# Altium PCB FOC_Controller.PcbDoc (part 2 of 2)
Units mil, origin at the board's own origin, x right, y up, seen from the top; angles counter-clockwise.
Board outline 3900 x 2450 mil, 4 copper layers (Top Layer, Int1 (GND), Int2 (PWR), Bottom Layer), stack 53.912 mil thick; 194 components, 148 nets, 636 pads, 454 vias.
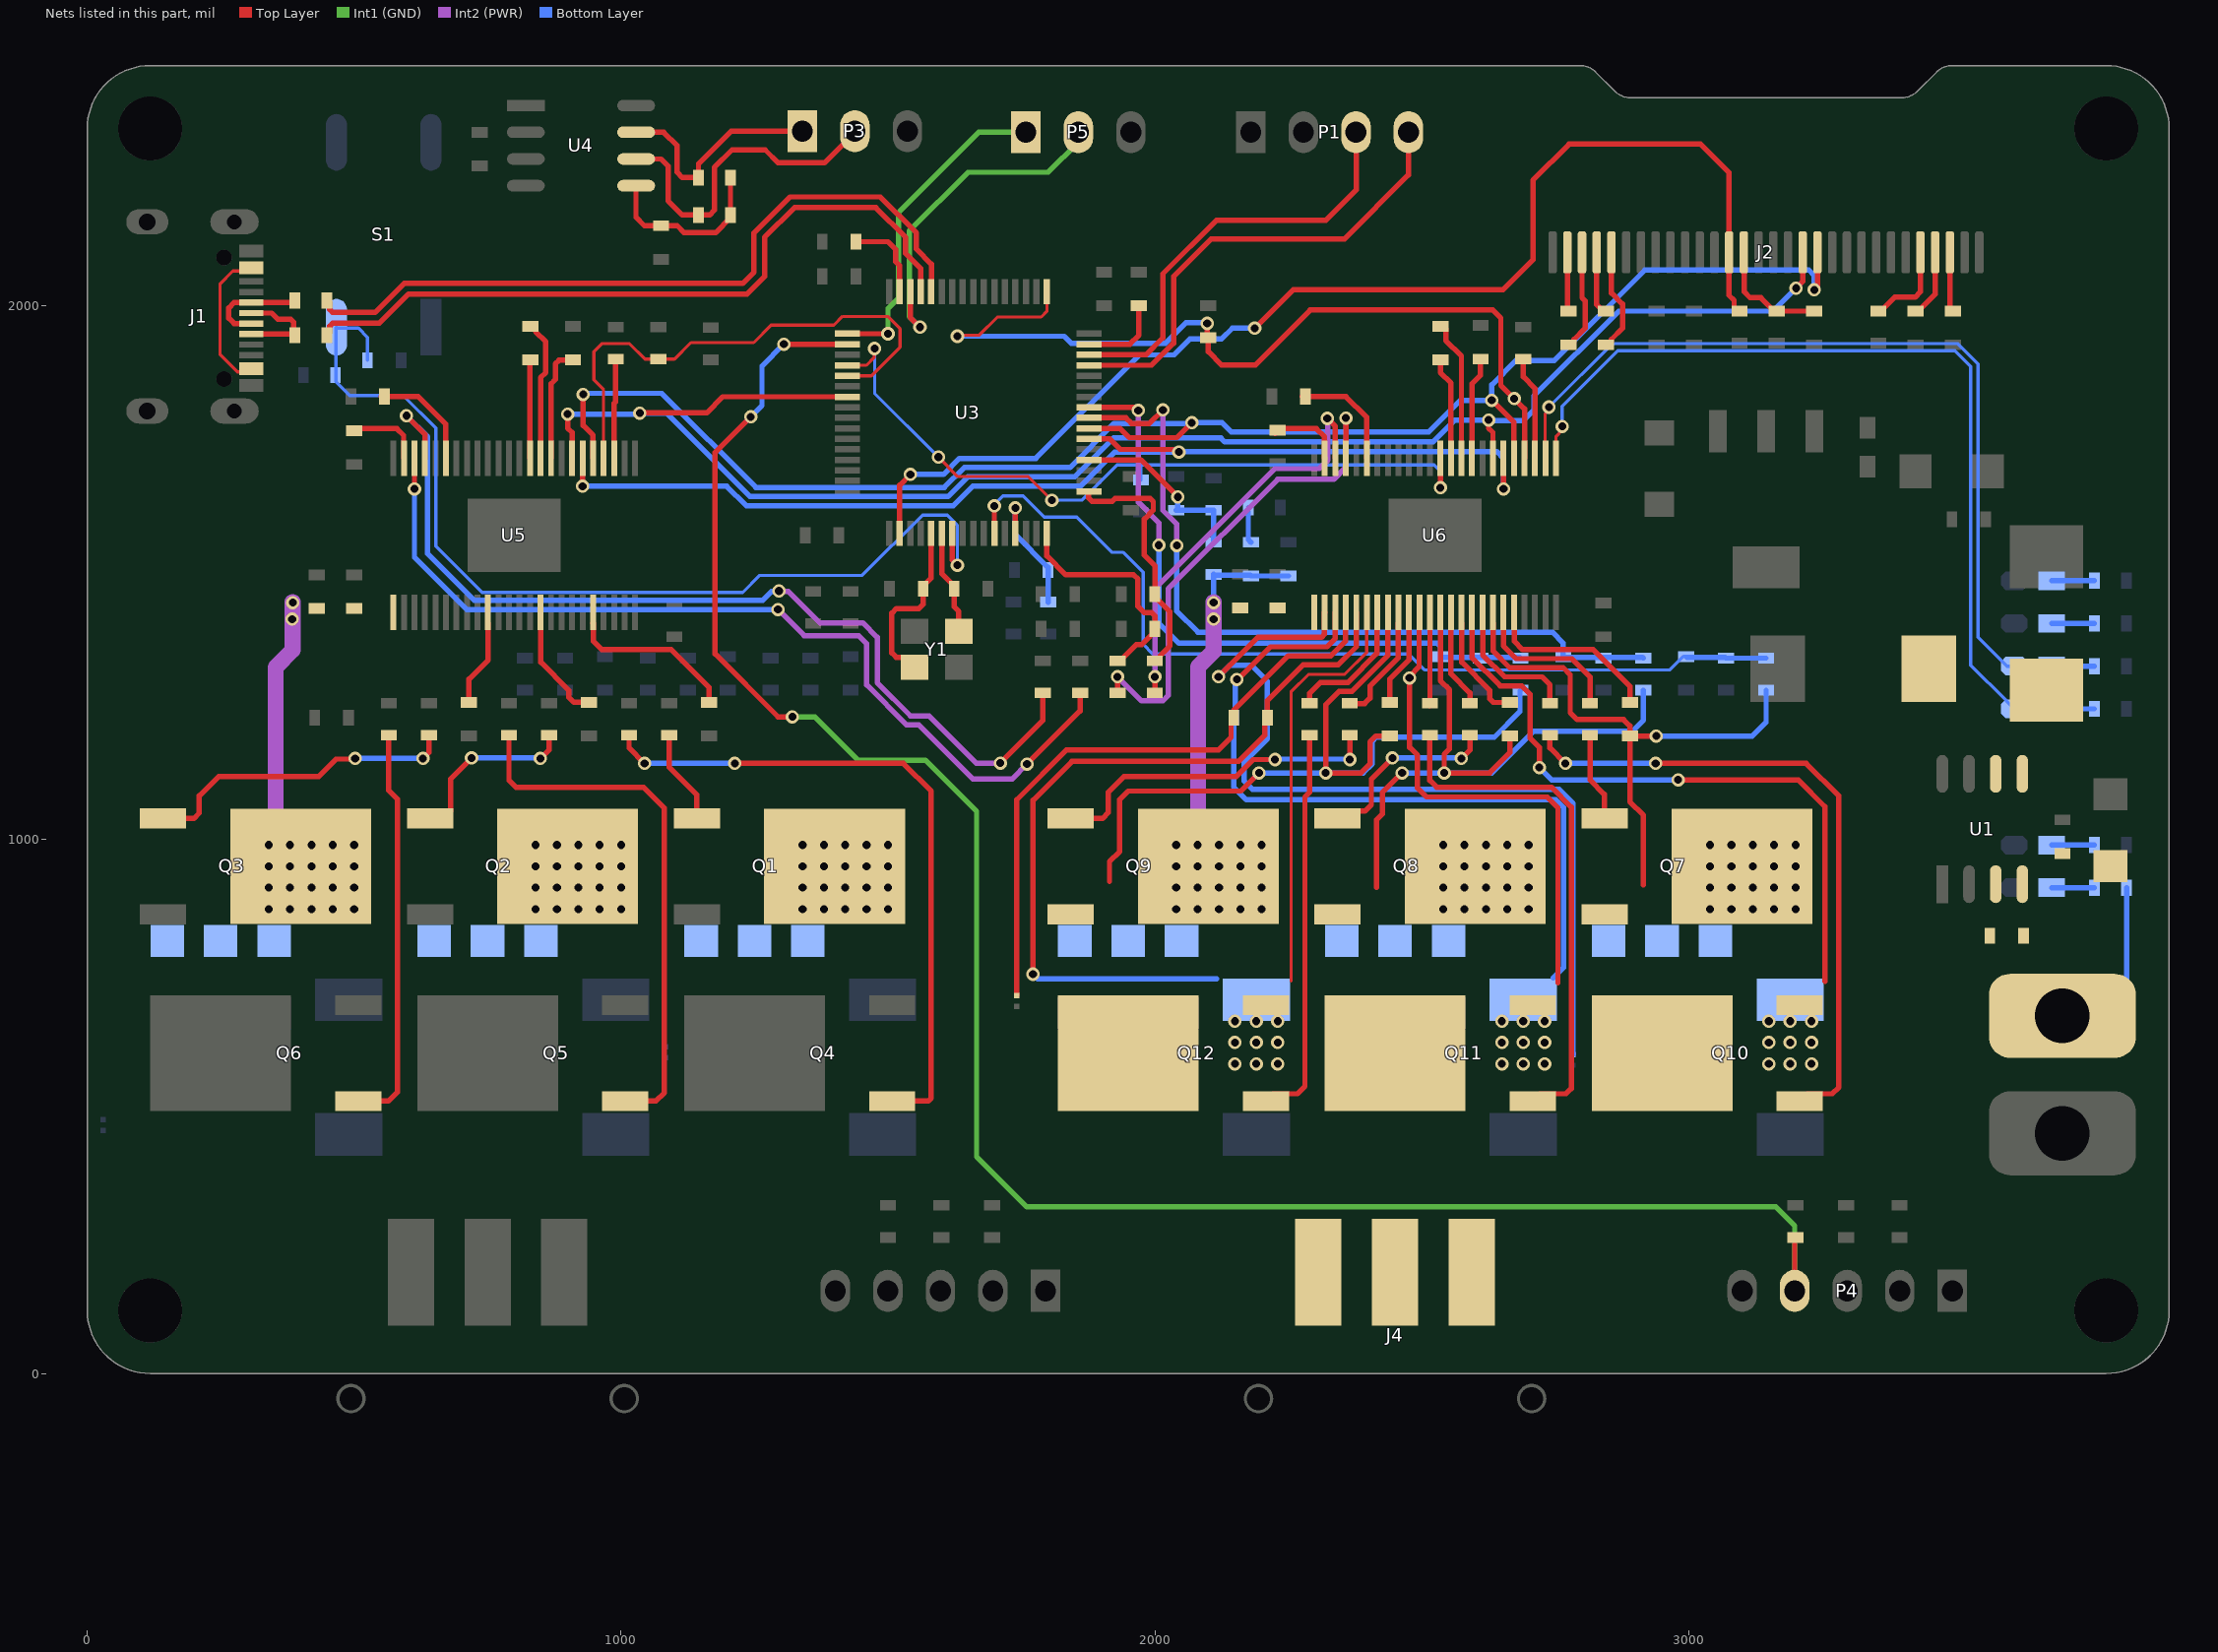
[diagram p4: the nets of this part, all layers, seen from the top]

## Via types
v1: diameter 25, hole 15, Top Layer to Bottom Layer, tented both sides, 227 vias
v2: diameter 25, hole 15, Top Layer to Bottom Layer, 227 vias

## Nets (pads, with @x,y where several pads share a name; then routed paths per layer and width w, separated by ;. In a path a pad name is that pad's centre, name@x,y a point inside that pad or via, vN(x,y) a via of type N, cw(c..) or ccw(c..) an arc to the next point about the centre after c; other vN are vias at no path point) (continued)
M1_ENC_C: P4.4 R31.1 U3.50 | length 3819.6
  Top Layer w10: v1(1243,1792) 1176,1725 1176,1347.96 1293.96,1230 v1(1321,1230) ; v1(1305,1928) U3.50@1423.62,1927.95 ; P4.4@3198.43,155 3198.43,253.43 R31.1@3200,255
  Int1 (GND) w10: v1(1321,1230) 1363,1230 1444,1149 1570,1149 1666,1053 1666,406 1760,312 3163,312 3198.43,276.57 P4.4@3198.43,155
  Bottom Layer w10: v1(1243,1792) 1264,1813 1264,1887 v1(1305,1928)
M1_GATE: R57.2 U3.52 U6.12 | length 1449
  Top Layer w6: U3.52@1423.62,1888.58 1459.58,1888.58 1474,1903 v1@1474,1921 ; v1(1594.49,1716.54) 1630.91,1680.12 1762.8,1680.12 v1(1807.09,1635.83)
  Top Layer w10: v1(2534.84,1659.16) U6.12@2534.84,1714.5
  Bottom Layer w6: v1(1475,1920) 1475,1836.02 v1(1594.49,1716.54) ; v1(1807.09,1635.83) 1863.01,1635.83 1929.18,1702 1976,1702 ; R57.2@1974,1673.5 1974,1700 1976,1702 ; v1(2534.84,1659.16) 2534.84,1690 2522.84,1702 1976,1702
M1_GH_A: R53.1 U6.43 | length 278
  Top Layer w10: U6.43@2652.95,1405.5 2652.95,1363.05 2677,1339 2781,1339 2815,1305 R53.1@2815,1255.59
M1_GH_B: R54.1 U6.38 | length 164.6
  Top Layer w10: U6.38@2554.53,1405.5 2554.53,1310.43 2590,1274.96 R54.1@2590,1255.59
M1_GH_C: R55.1 U6.33 | length 204.9
  Top Layer w10: R55.1@2365,1255.59 2365.59,1255 2393,1255 2403,1265 2403,1287.69 2456.1,1340.79 U6.33@2456.1,1405.5
M1_GL_A: R58.1 U6.41 | length 243.3
  Top Layer w10: U6.41@2613.58,1405.5 2614.08,1405 2614.08,1345.92 2655,1305 2725,1305 2740,1290 R58.1@2740,1255.59
M1_GL_B: R59.1 U6.36 | length 154.4
  Top Layer w10: R59.1@2515,1251.18 R59.1@2515,1255.59 2515.16,1255.74 U6.36@2515.16,1405.5
M1_GL_C: R60.1 U6.31 | length 232.6
  Top Layer w10: R60.1@2290,1255.59 2290,1274.25 2310.34,1294.59 2361.81,1294.59 2416,1348.77 2416,1404.77 U6.31@2416.73,1405.5
M1_IA: C63.2 R61.2 U3.16 | length 442.9
  Top Layer w10: U3.16@1797.64,1573.62 1797.64,1531.36 1833,1496 1960,1496 1968,1488 1968,1437 1980,1425 1994.14,1425 2000,1419.14 C63.2@2000,1395 2000,1390 1975,1365 1965,1365 1935,1335 R61.2@1930,1335
M1_IB: C64.2 R62.2 U3.17 | length 480.1
  Top Layer w10: U3.17@1876.38,1652.36 1875.98,1651.97 1875.98,1639.76 1881.74,1634 1920.42,1634 1925.42,1639 1991.19,1639 1997.05,1633.15 1997.05,1617.08 1980.32,1600.35 1980.32,1532.74 2000,1513.05 C64.2@2000,1460 2000,1455 2028,1427 2028,1363 2010,1345 2010,1340 2005,1335 R62.2@2000,1335
M1_nFAULT: D7.2 U6.2 | length 1570.1
  Top Layer w6: U6.2@2731.69,1714.5 2731,1715.19 2731,1797.86 2738.19,1805.05 v1(2738.19,1810.19)
  Bottom Layer w6: v1(2738.19,1810.19) 2857,1929 3504,1929 3542,1891 3542,1379 3596,1325 D7.2@3610,1325
M1_nOCTW: D6.2 U6.1 | length 1598.4
  Top Layer w6: U6.1@2751.38,1714.5 2751.38,1755.38 2763,1767 v1(2763,1774)
  Bottom Layer w6: v1(2763,1774) 2763,1812 2867,1916 3498.62,1916 3528.31,1886.31 3528.31,1326.69 3594.99,1260.01 3594.99,1259.5 3609.49,1245 D6.2@3610,1245
M1_SH_A: C56.1 J4.1 Q7.3 Q10.2 R19.1 U6.42 | length 1042.5
  Top Layer w10: U6.42@2633.27,1405.5 2633.77,1405 2633.77,1353.19 2664.96,1322 2765,1322 2778,1309 2778,1238 2791,1225 2878,1225 2890,1213 C56.1@2890,1194.1 ; 2915,915 2915,1045.87 2890,1070.87 C56.1@2890,1194.1 ; v1(2939.1,1194.1) C56.1@2890,1194.1
  Bottom Layer w10: v1(2939.1,1194.1) 3119.1,1194.1 3145,1220 R19.1@3145,1280
M1_SH_B: C58.1 J4.2 Q8.3 Q11.2 R21.1 U6.37 | length 1253.4
  Top Layer w10: 2415,911 2415,1037 2426,1048 2426,1088 v1(2463,1125) v1@2463,1122 ; U6.37@2534.84,1405.5 2535,1405.34 2535,1298 2552,1281 2552,1170 2542,1160 v1(2542,1125) 2627.07,1125 2665,1162.93 2665,1199 C58.1@2666,1199
  Bottom Layer w10: v1(2463,1125) v1(2542,1125) 2631,1125 2709,1203 2894,1203 2915,1224 R21.1@2915,1280
M1_SH_C: C60.1 J4.3 Q9.3 Q12.2 R27.1 U6.32 | length 1560.5
  Top Layer w10: 1915,922 1915,959 1934,978 1934,1075 1950,1091 2161,1091 v1(2195,1125) ; U6.32@2436,1405.08 2436.42,1405.5 2436.42,1345.15 2368.86,1277.59 2345.03,1277.59 2320,1252.55 v1(2320,1125) 2320.5,1124.5 2385.5,1124.5 2403,1142 2403,1183 2414.1,1194.1 C60.1@2440,1194.1
  Bottom Layer w10: v1(2195,1125) v1(2320,1125) 2390,1125 2407,1142 2407,1184 2415,1192 2636,1192 2684,1240 2684,1279 R27.1@2685,1280
M1_SL_A: Q10.3 R63.2 U6.40 | length 1238.4
  Top Layer w10: U6.40@2593.9,1405.5 2594,1405.4 2594,1341 2646.98,1288.02 2647.94,1288.02 2687,1288 2703,1272 2703,1190.03 2720,1173.03 v1(2720,1135) ; v1(2980,1112) 3205,1112 3255,1062 3255,735
  Bottom Layer w10: v1(2720,1135) 2743,1112 v1(2980,1112)
  other v2: 3150,580 3190,580 3230,580 3150,620 3190,620 3230,620 3150,660 3190,660 3230,660
M1_SL_B: C68.2 Q11.3 R64.2 U6.27 U6.35 | length 2355.5
  Top Layer w10: v1(2153.54,1300.2) 2155.51,1300.2 2216.54,1361.22 2322.42,1361.22 2337.99,1376.8 U6.27@2337.99,1425.5 ; v1@2477,1300 2477,1173 2492,1158 2492,1097 2509,1080 2735,1080 2755,1060 2755,732 ; v1(2477,1303) 2477,1305.89 2495,1323.89 2495,1405.03 U6.35@2495.47,1405.5
  Bottom Layer w10: v1(2153.54,1300.2) 2150.67,1297.33 2150.67,1231.38 C68.2@2147.64,1228.35 2147.64,1098.43 2171.26,1074.8 2750.98,1074.8 2765.48,1060.31 2765.48,1030.36 2765.75,1030.09 2765.75,760.75 2746.35,741.35
  other v2: 2650,580 2690,580 2730,580 2650,620 2690,620 2730,620 2650,660 2690,660 2730,660
M1_SL_C: C67.2 Q12.3 R66.2 U6.29 U6.30 | length 2265.8
  Top Layer w6: 2255,735 2255,1276.65 2287.93,1309.59 2355.6,1309.59 2396.55,1350.53 2396.55,1405 U6.30@2397.05,1405.5
  Top Layer w10: v1(1771.65,748.03) 1771.65,1073.82 1844.49,1146.65 2156.65,1146.65 2205.63,1195.63 2205.63,1218.35 2210.63,1223.35 C67.2@2210.63,1228.35 2210.63,1260.41 2277.44,1327.22 2342.97,1327.22 2377.36,1361.61 U6.29@2377.36,1425.5
  Bottom Layer w10: v1(1771.65,748.03) 1780.51,739.17 2115.16,739.17
  other v2: 2150,580 2190,580 2230,580 2150,620 2190,620 2230,620 2150,660 2190,660 2230,660
M1_SP1: C67.1 NT4.1 U6.28 | length 1186.5
  Top Layer w10: NT4.1@1741.14,707.83 1741.14,1074.8 1834.65,1168.31 2119.31,1168.31 2142.64,1191.64 2142.64,1218.35 2147.64,1223.35 C67.1@2147.64,1228.35 2147.64,1242.13 2249.73,1344.22 2329.46,1344.22 2357.18,1371.94 2357.18,1425 U6.28@2357.68,1425.5
M1_SP2: C68.1 NT3.1 U6.26 | length 1694.3
  Top Layer w10: v1(2119.09,1305.12) 2192.91,1378.94 2311.95,1378.94 2317.81,1384.79 2317.81,1425 U6.26@2318.31,1425.5
  Bottom Layer w10: v1(2119.09,1305.12) 2140.75,1326.77 2180.12,1326.77 2210.63,1296.26 C68.1@2210.63,1228.35 2210.63,1188.98 2167.32,1145.67 2167.32,1109.52 2182.35,1094.49 2756.89,1094.49 2783.46,1067.91 NT3.1@2783.46,597.44
M1_VA: C23.2 R19.2 R20.1 U3.11 | length 1732.6
  Top Layer w10: U3.11@1699.21,1573.62 v1(1699.21,1625)
  Bottom Layer w6: v1(1699.21,1625) 1699.21,1628.21 1715,1644 1753,1644 1793,1604 1854,1604 1920,1538 1941,1538 1978,1501 1978,1366 1996,1348 2475,1348 2505,1318 2965,1318 2990,1343 C23.2@2995,1343 C23.2@2996.5,1341.5 ; R20.1@3068.5,1341.5 R20.1@3070,1340
  Bottom Layer w10: C23.2@2996.5,1341.5 R20.1@3068.5,1341.5 ; R20.1@3070,1340 R19.2@3145,1340
M1_VB: C24.2 R21.2 R22.1 U3.24 | length 1466.5
  Top Layer w10: U3.24@1876.38,1790.16 1945.65,1790.16 1956.3,1779.5 1989.5,1779.5 v1(2015,1805)
  Int2 (PWR) w10: v1(2015,1805) 2015,1617 2041,1591 v1(2041,1551)
  Bottom Layer w10: v1(2041,1551) 2041,1428 2080.5,1388.5 2744.5,1388.5 2765,1368 C24.2@2765,1343 2766.5,1341.5 2913.5,1341.5 R21.2@2915,1340
M1_VC: C29.2 R27.2 R28.1 U3.25 | length 1228.3
  Top Layer w10: U3.25@1876.38,1809.84 1959.1,1809.84 1964.94,1804 v1(1969,1804)
  Int2 (PWR) w10: v1(1969,1804) 1969,1632 2007.5,1593.5 v1(2007.5,1551.5)
  Bottom Layer w10: v1@1969,1801 v1(1969,1804) ; v1(2007.5,1551.5) 2007.5,1405.5 2045,1368 2529.14,1368 2535,1362.14 C29.2@2535,1343 2536.5,1341.5 2683.5,1341.5 R27.2@2685,1340
NetC1_2: C1.2 U1.3
NetC9_1: C9.1 R7.1 | length 67.1
  Bottom Layer w10: R7.1@2175,1622 2175,1562 C9.1@2180,1557
NetC12_2: C12.2 U3.31 | length 155.7
  Top Layer w10: U3.31@1876.38,1927.95 1952.95,1927.95 1970,1945 C12.2@1970,2000
NetC13_2: C13.2 U3.47 | length 162.8
  Top Layer w10: C13.2@1440,2120 1500,2120 1514,2106 1514,2083 1522.05,2074.95 U3.47@1522.05,2026.38
NetC15_2: C15.2 R10.2 U3.13 | length 249.7
  Top Layer w10: U3.13@1738.58,1573.62 v1(1738.58,1621.42)
  Bottom Layer w10: v1(1738.58,1621.42) 1738.58,1571.42 1800,1510 C15.2@1800,1505 R10.2@1800,1445
NetC20_2: C20.2 U3.5 Y1.1 | length 333.1
  Top Layer w10: Y1.1@1550,1323.07 1531.38,1341.69 1515.31,1341.69 1507,1350 1507,1424 1516,1433 1558,1433 1565.91,1440.91 C20.2@1565.91,1470 1565.91,1475 1581.1,1490.2 U3.5@1581.1,1573.62
NetC21_2: C21.2 U3.6 Y1.3 | length 196.8
  Top Layer w10: U3.6@1600.79,1573.62 1600.79,1498.3 1624.09,1475 C21.2@1624.09,1470 1624.09,1435.91 1632.68,1427.32 Y1.3@1632.68,1390
NetC25_1: C25.1 J2.5 | length 197.4
  Top Layer w10: C25.1@2845,1927 2850,1927 2855,1932 2855,1937 2876,1958 2876,2003.14 2855.24,2023.91 J2.5@2855.24,2100
NetC25_2: C25.2 J2.4 | length 120.1
  Top Layer w10: J2.4@2827.68,2100 2827.68,2002.32 2840,1990 C25.2@2845,1990
NetC26_2: C26.2 J2.28 | length 113
  Top Layer w10: J2.28@3489.09,2100 3489.09,1995 3494.09,1990 C26.2@3495,1990
NetC27_1: C27.1 J2.3 | length 191.2
  Top Layer w10: C27.1@2775,1927 2780,1927 2785,1932 2785,1937 2806,1958 2806,2009 2800.12,2014.88 J2.3@2800.12,2100
NetC27_2: C27.2 J2.2 | length 111
  Top Layer w10: J2.2@2772.56,2100 2772.56,1992.44 C27.2@2775,1990
NetC28_2: C28.2 J2.27 | length 128.4
  Top Layer w10: C28.2@3425,1990 3430,1990 3462,2022 3462,2099.54 J2.27@3461.54,2100
NetC33_2: C33.2 R32.1 R33.2 U4.5 | length 334.8
  Top Layer w10: U4.5@1028.35,2225 1028,2224.65 1028,2166 1044,2150 C33.2@1075,2150 1105,2150 1118,2137 1177,2137 1205,2165 R33.2@1205,2170 R32.1@1205,2240
NetC34_1: C34.1 J2.14 R34.1 | length 220.2
  Top Layer w10: J2.14@3103.27,2100 3104,2099.27 3104,2026 3115,2015 3135,2015 3160,1990 R34.1@3165,1990 C34.1@3235,1990
NetC38_2: C38.2 U5.44 | length 314.6
  Top Layer w10: U5.44@947.64,1405.5 948.14,1405 948.14,1371.86 964,1356 1094,1356 1165,1285 C38.2@1165,1257.09
NetC39_2: C39.2 U5.9 | length 216
  Top Layer w10: U5.9@868.9,1714.5 868.9,1853.9 877,1862 877,1891 884,1898 909.5,1898 C39.2@910,1898.5
NetC40_2: C40.2 U5.39 | length 202.5
  Top Layer w10: U5.39@849.21,1405.5 849.71,1405 849.71,1332.29 902,1280 902,1267 911.91,1257.09 C40.2@940,1257.09
NetC41_1: C41.1 U5.11 | length 184.2
  Top Layer w10: U5.11@829.53,1714.5 829.53,1898.03 C41.1@830,1898.5
NetC41_2: C41.2 U5.10 | length 266
  Top Layer w10: C41.2@830,1961.5 835,1961.5 840,1956.5 840,1951.5 859,1932.5 859,1875 849.21,1865.21 U5.10@849.21,1714.5
NetC42_2: C42.2 U5.34 | length 163.4
  Top Layer w10: C42.2@715,1257.09 715,1300.65 751,1336.65 751,1405.29 U5.34@750.79,1405.5
NetC43_2: C43.2 U5.19 | length 205.9
  Top Layer w10: C43.2@551.18,1830 620,1830 671.55,1778.45 671.55,1715 U5.19@672.05,1714.5
NetC44_2: C44.2 U5.23 | length 141
  Top Layer w10: C44.2@500,1770 580,1770 592.81,1757.19 592.81,1715 U5.23@593.31,1714.5
NetC56_2: C56.2 U6.44 | length 315.8
  Top Layer w10: U6.44@2672.64,1405.5 2673.14,1405 2673.14,1371.86 2689,1356 2821,1356 2890,1287 C56.2@2890,1257.09
NetC57_2: C57.2 U6.9 | length 192.2
  Top Layer w10: U6.9@2593.9,1714.5 2593.9,1853.9 2610,1870 C57.2@2610,1900
NetC58_2: C58.2 U6.39 | length 204.3
  Top Layer w10: U6.39@2574.21,1405.5 2574.71,1405 2574.71,1332.29 2627,1280 2627,1264 2634,1257 2664.91,1257 C58.2@2665,1257.09
NetC59_1: C59.1 U6.11 | length 192.1
  Top Layer w10: C59.1@2535,1898.5 2535,1875 2554.53,1855.47 U6.11@2554.53,1714.5
NetC59_2: C59.2 U6.10 | length 266.2
  Top Layer w10: C59.2@2535,1961.5 2540,1961.5 2545,1956.5 2545,1935 2574.21,1905.79 U6.10@2574.21,1714.5
NetC60_2: C60.2 U6.34 | length 163.4
  Top Layer w10: C60.2@2440,1257.09 2440,1300.65 2476,1336.65 2476,1405.29 U6.34@2475.79,1405.5
NetC61_2: C61.2 U6.19 | length 213.4
  Top Layer w10: C61.2@2276.18,1830 2357.92,1830 2396.55,1791.37 2396.55,1715 U6.19@2397.05,1714.5
NetC62_2: C62.2 U6.23 | length 143.1
  Top Layer w10: C62.2@2225,1761.18 2233.82,1770 2302.35,1770 2317.81,1754.54 2317.81,1715 U6.23@2318.31,1714.5
NetD1_1: D1.1 R1.2 | length 80
  Bottom Layer w10: D1.1@3680,990 R1.2@3760,990
NetD2_3: D2.2 L1.1 U1.5 U1.6
NetD3_1: D3.1 R2.2 | length 80
  Bottom Layer w10: D3.1@3680,910 R2.2@3760,910
NetD4_1: D4.1 R35.1 | length 80
  Bottom Layer w10: D4.1@3680,1405 R35.1@3760,1405
NetD5_1: D5.1 R36.1 | length 80
  Bottom Layer w10: D5.1@3680,1485 R36.1@3760,1485
NetD6_1: D6.1 R50.1 | length 80
  Bottom Layer w10: D6.1@3680,1245 R50.1@3760,1245
NetD7_1: D7.1 R51.1 | length 80
  Bottom Layer w10: D7.1@3680,1325 R51.1@3760,1325
NetJ1_A4: J1.A4 J1.A9 J1.B4 J1.B9 | length 296.4
  Top Layer w6: J1.A4@307.28,2076.95 J1.B9@307.28,2065.14 272.81,2065.14 249.02,2041.34 249.02,1908.46 281.33,1876.16 J1.A9@307.44,1876.16 J1.B4@307.44,1887.97
NetJ1_A6: J1.A6 J1.B6 R3.2 | length 188.3
  Top Layer w10: J1.B6@307.44,1947.03 386.98,1947.02 386.98,1969.14 381.12,1975 357,1975 345.61,1986.39 J1.A6@307.44,1986.39
NetJ1_A7: J1.A7 J1.B7 R5.2 | length 195.4
  Top Layer w10: J1.A7@307.38,1966.72 275.29,1966.72 265,1977 265,1996 275.09,2006.09 J1.B7@307.38,2006.09 385.09,2006.09 R5.2@389,2010
NetJ2_26: J2.26 R23.2 | length 167.9
  Top Layer w10: R23.2@3355,1990 3360,1990 3386,2016 3424,2016 3434,2026 J2.26@3433.98,2100
NetP3_1: P3.1 R32.2 U4.7 | length 427
  Top Layer w10: U4.7@1028.35,2325 1080,2325 1105,2300 1105,2250 1115,2240 R32.2@1145,2240 1145,2266 1206,2327 P3.1@1339.57,2327
NetP3_2: P3.2 R33.1 U4.6 | length 624.2
  Top Layer w10: U4.6@1028.35,2275 1075,2275 1088,2262 1088,2197 1115,2170 R33.1@1145,2170 1166,2170 1175,2179 1175,2259 1208,2292 1270,2292 1294,2268 1381,2268 1438,2325 P3.2@1438,2327
NetQ1_1: Q1.1 R38.2 | length 177.4
  Top Layer w10: R38.2@1090,1195.59 1090,1136 1142.13,1083.87 Q1.1@1142.13,1039.76
NetQ2_1: Q2.1 R39.2 | length 339.5
  Top Layer w10: Q2.1@642.13,1039.76 666.73,1039.76 680.43,1053.46 680.43,1113.43 v1(720,1153) ; v1(849,1152) 865,1168 R39.2@865,1195.59
  Bottom Layer w10: v1(720,1153) 848,1153 v1(849,1152)
NetQ3_1: Q3.1 R40.2 | length 600.3
  Top Layer w10: Q3.1@142.13,1039.76 199.76,1039.76 210,1050 210,1082 246,1118 433.35,1118 466.35,1151 501,1151 v1(502,1152) ; v1(629.04,1151.96) 640,1162.93 R40.2@640,1195.59
  Bottom Layer w10: v1(502,1152) v1(629.04,1151.96)
NetQ4_1: Q4.1 R42.2 | length 1273.7
  Top Layer w10: R42.2@1015,1195.59 1015,1172 v1(1044,1143) ; v1(1213,1143) 1529,1143 1581,1091 1581,516 1575.24,510.24 Q4.1@1507.87,510.24
  Bottom Layer w10: v1(1044,1143) v1(1213,1143)
NetQ5_1: Q5.1 R43.2 | length 1009.8
  Top Layer w10: R43.2@790,1195.59 790,1111 803,1098 1042,1098 1081,1059 1081,526 1065.24,510.24 Q5.1@1007.87,510.24
NetQ6_1: Q6.1 R44.2 | length 755.3
  Top Layer w10: Q6.1@507.87,510.24 564.24,510.24 581,527 581,1076 565,1092 R44.2@565,1195.59
NetQ7_1: Q7.1 R53.2 | length 167.1
  Top Layer w10: R53.2@2815,1195.59 2815,1112 2842,1085 2842,1039.89 Q7.1@2842.13,1039.76
NetQ8_1: Q8.1 R54.2 | length 357.5
  Top Layer w10: Q8.1@2342.13,1039.76 2355.83,1053.46 2393.46,1053.46 2405.43,1065.43 2405.43,1113.43 v1(2445,1153) ; v1(2574,1152) 2590,1168 R54.2@2590,1195.59
  Bottom Layer w10: v1(2445,1153) 2573,1153 v1(2574,1152)
NetQ9_1: Q9.1 R55.2 | length 636.8
  Top Layer w10: Q9.1@1842.13,1039.76 1901.76,1039.76 1913,1051 1913,1089 1942,1118 2152.04,1118 2184.04,1150 v1(2225,1150) ; v1(2365,1150) R55.2@2365,1195.59
  Bottom Layer w10: v1(2225,1150) 2226,1151 v1@2365,1151
NetQ10_1: Q10.1 R58.2 | length 1231.7
  Top Layer w10: R58.2@2740,1195.59 2740,1172 v1(2769,1143) ; v1(2938,1143) 3220,1143 3281,1082 3281,536 3268.94,523.94 3221.57,523.94 Q10.1@3207.87,510.24
  Bottom Layer w10: v1(2769,1143) v1(2938,1143)
NetQ11_1: Q11.1 R59.2 | length 979.3
  Top Layer w10: R59.2@2515,1195.59 2515,1111 2528,1098 2743,1098 2780,1061 2780,534 2769.94,523.94 2721.57,523.94 Q11.1@2707.87,510.24
NetQ12_1: Q12.1 R60.2 | length 745.9
  Top Layer w10: Q12.1@2207.87,510.24 2221.57,523.94 2266.94,523.94 2281,538 2281,1080 2290,1089 R60.2@2290,1195.59
NetR37_1: R37.1 U5.3 | length 186.7
  Top Layer w10: U5.3@987.01,1714.5 987.01,1817 990,1820 R37.1@990,1900
NetR46_1: R46.1 U5.21 | length 1831.4
  Top Layer w10: v1(598,1794) 632.68,1759.32 U5.21@632.68,1714.5 ; v1(1710.5,1143.5) 1790,1223 R46.1@1790,1275
  Int2 (PWR) w10: v1@1295.84,1465 1313,1465 1372,1406 1453,1406 1480,1379 1480,1294 1542,1232 1577,1232 1665.5,1143.5 v1(1710.5,1143.5)
  Bottom Layer w10: v1(598,1794) 637.49,1754.51 637.49,1535.74 725.23,1448 1265,1448 1282,1465 v1@1295,1465
  other v1: 1295.84,1465.84
NetR47_1: R47.1 U5.22 | length 1736.3
  Top Layer w10: v1(612.99,1657.01) U5.22@612.99,1714.5 ; v1(1760.5,1141.5) 1860,1241 R47.1@1860,1275
  Int2 (PWR) w10: v1(1294,1431) 1343,1382 1445,1382 1460,1367 1460,1289.96 1534.96,1215 1558,1215 1659,1114 1733,1114 v1(1760.5,1141.5)
  Bottom Layer w10: v1(612.99,1657.01) 612.99,1528.74 710.73,1431 v1(1294,1431)
NetR52_1: R52.1 U6.3 | length 194.6
  Top Layer w10: R52.1@2690,1900 2690,1867 2712.01,1844.99 U6.3@2712.01,1714.5
NetR61_1: R61.1 U6.21 | length 941.9
  Top Layer w10: R61.1@1930,1275 v1(1930,1305) ; U6.21@2357.68,1714.5 v1(2357.68,1789.68)
  Int2 (PWR) w10: v1(1930,1305) 1975,1260 2015,1260 2025,1270 2025,1470 2230,1675 2335,1675 2357.68,1697.68 v1(2357.68,1789.68)
NetR62_1: R62.1 U6.22 | length 777.9
  Top Layer w10: R62.1@2000,1275 v1(2000,1305) ; v1(2323,1789) 2337.99,1774.01 U6.22@2337.99,1714.5
  Int2 (PWR) w10: v1(2000,1305) 2000,1470 2225,1695 2308,1695 2324,1711 2324,1788 v1(2323,1789)
PVDD: C1.1 C6.1 C7.2 C9.2 C10.2 C49.1 C50.1 C65.1 C66.1 C69.1 C70.1 C71.1 C72.1 C73.1 C74.1 C75.1 C76.1 C77.1 C78.1 C79.1 C80.1 C81.1 C82.1 C83.1 C84.1 C85.1 C86.1 pad.2 Q1.2 Q2.2 Q3.2 Q7.2 Q8.2 Q9.2 R2.1 R6.1 U1.4 U5.25 U6.25 | length 1260.5
  Int2 (PWR) w30: 353,1054 353,1323 385,1355 v1(385,1444) v1@385,1445 ; 2081,1060 2081,1324 2110,1353 v1(2110,1413) v1(2110,1444) v1@2110,1445
  Bottom Layer w10: v1(2110,1444) R6.1@2110,1497 2111.5,1495.5 2178.5,1495.5 C9.2@2180,1494 C10.2@2250,1494 ; pad.2@3820,645 R2.1@3820,910
  other v1: 384,1413
  other v2: 340,870 380,870 420,870 460,870 500,870 840,870 880,870 920,870 960,870 1000,870 1340,870 1380,870 1420,870 1460,870 1500,870 2040,870 2080,870 2120,870 2160,870 2200,870 2540,870 2580,870 2620,870 2660,870 2700,870 3040,870 3080,870 3120,870 3160,870 3200,870 340,910 380,910 420,910 460,910 500,910 840,910 880,910 920,910 960,910 1000,910 1340,910 1380,910 1420,910 1460,910 1500,910 2040,910 2080,910 2120,910 2160,910 2200,910 2540,910 2580,910 2620,910 2660,910 2700,910 3040,910 3080,910 3120,910 3160,910 3200,910 340,950 380,950 420,950 460,950 500,950 840,950 880,950 920,950 960,950 1000,950 1340,950 1380,950 1420,950 1460,950 1500,950 2040,950 2080,950 2120,950 2160,950 2200,950 2540,950 2580,950 2620,950 2660,950 2700,950 3040,950 3080,950 3120,950 3160,950 3200,950 340,990 380,990 420,990 460,990 500,990 840,990 880,990 920,990 960,990 1000,990 1340,990 1380,990 1420,990 1460,990 1500,990 2040,990 2080,990 2120,990 2160,990 2200,990 2540,990 2580,990 2620,990 2660,990 2700,990 3040,990 3080,990 3120,990 3160,990 3200,990
PVDDSENSE: C11.2 R6.2 R8.1 U3.20 | length 351.6
  Top Layer w10: U3.20@1876.38,1711.42 1973.58,1711.42 v1(2043,1642)
  Bottom Layer w10: v1(2043,1642) 2043,1620 C11.2@2040,1617 R8.1@2110,1617 R6.2@2110,1557
RST: C8.2 R4.1 S1.2 U3.7 | length 1874.7
  Top Layer w10: U3.7@1620.47,1573.62 1620.47,1523.53 v1(1630,1514)
  Bottom Layer w6: C8.2@525,1898 525,1941 508,1958 468.6,1958 S1.2@466.83,1959.77 466,1958.94 466,1858 492,1832 591.82,1832 653,1770.82 653,1549.76 739.76,1463 1228,1463 1260,1495 1452,1495 1565,1608 1611,1608 1630,1589 v1(1630,1514)
SPI_EN_M0: R68.1 U3.53 U5.4 | length 997
  Top Layer w6: U5.4@967.32,1714.5 967.32,1842.68 949,1861 949,1914 964,1929 1016,1929 1045,1900 R68.1@1070,1900 1100,1900 1131,1931 1248.5,1931 1281.14,1963.64 1398.64,1963.64 1415,1980 1499.46,1980 1522.5,1956.96 1522.5,1922.5 1468.9,1868.9 U3.53@1423.62,1868.9
SPI_EN_M1: R69.1 U3.33 U6.4 | length 1654.7
  Top Layer w6: v1(1630,1943) 1632,1945 1671,1945 1705,1979 1787,1979 1797.64,1989.64 U3.33@1797.64,2026.38
  Top Layer w10: v1(2098,1967) 2098,1942 R69.1@2100,1940 2100,1914 2125,1889 2188,1889 2291,1992 2633,1992 2648,1977 2648,1851 v1(2673,1826) 2692.32,1806.68 U6.4@2692.32,1714.5
  Bottom Layer w10: v1(1630,1943) 1830,1943 1843,1930 2020,1930 2058,1968 v1@2098,1968
SPI_EN_OLED: J2.13 R67.2 U3.2 | length 2289.1
  Top Layer w10: U3.2@1522.05,1573.62 1522.05,1664.05 v1(1542,1684) ; v1(2187,1958) 2259,2030 2652,2030 2708,2086 2708,2235 2776,2303 3022,2303 3075.71,2249.29 J2.13@3075.71,2100 3075,2099.29 3075,2020 3085,2010 3085,1995 3090,1990 R67.2@3095,1990
  Bottom Layer w10: v1(1542,1684) 1604,1684 1634,1714 1777,1714 1971,1908 2036,1908 2066,1938 2125,1938 2145,1958 v1(2187,1958)
SPI_MISO: U3.22 U5.6 U6.6 | length 2133.4
  Top Layer w10: U5.6@927.95,1714.5 v1(927.95,1662.05) v1(927.95,1662.05) ; U3.22@1876.38,1750.79 1915.21,1750.79 1935,1731 2040,1731 v1(2045,1726) ; U6.6@2652.95,1714.5 2652.95,1658.05 2653,1658 v1(2653,1657)
  Bottom Layer w10: v1(927.95,1662.05) 1197.91,1662.05 1234.46,1625.5 1622.5,1625.5 1659,1662 1861,1662 1925,1726 v1(2045,1726) ; v1@2045,1727 2640.45,1727 2652.95,1714.5 v1(2653,1657) v1(2653,1657)
SPI_MOSI: J2.19 U3.23 U5.5 U6.5 | length 3150.7
  Top Layer w10: v1(929,1834) 929,1776 947.64,1757.36 U5.5@947.64,1714.5 ; U3.23@1876.38,1770.47 1934.53,1770.47 1952,1753 2041,1753 v1(2069,1781) ; v1(2631,1823) 2672.64,1781.36 U6.5@2672.64,1714.5 ; v1(3235,2030) 3241.06,2036.06 J2.19@3241.06,2100
  Bottom Layer w10: v1(929,1834) 931,1836 1076,1836 1252.5,1659.5 1605.5,1659.5 1643,1697 1841,1697 1923.5,1779.5 2067.5,1779.5 v1(2069,1781) 2126,1781 2143,1764 2513,1764 2572,1823 v1(2631,1823) 2631,1852 2676,1897 2748,1897 2918,2067 3225,2067 3234.5,2057.5 3234.5,2030.5 v1(3235,2030) v1@3233,2028
SPI_SCK: J2.18 U3.55 U5.7 U6.7 | length 3183.8
  Top Layer w10: v1(900,1797) 900,1771 908.27,1762.73 U5.7@908.27,1714.5 ; v1@1035.5,1799.5 1160.5,1799.5 1190.53,1829.53 U3.55@1423.62,1829.53 ; v1(2625,1786) 2625,1771 2633.27,1762.73 U6.7@2633.27,1714.5 ; v1(3201,2033) 3213.5,2045.5 J2.18@3213.5,2100
  Bottom Layer w10: v1(900,1797) 1033,1797 v1(1035,1799) 1085,1799 1241.5,1642.5 1612.54,1642.5 1650.04,1680 1850,1680 1922.5,1752.5 2123.5,1752.5 2131,1745 2521,1745 2562,1786 v1(2625,1786) ; v1@2625,1785 2690,1785 2710,1805 2710,1831 2869,1990 3158,1990 v1(3201,2033)
SWCLK: P5.1 U3.49 | length 612.3
  Top Layer w10: U3.49@1423.62,1947.64 v1(1500,1947.64)
  Int1 (GND) w10: v1(1500,1947.64) 1500,1995 1520,2015 1520,2175 1670,2325 P5.1@1758.15,2325
SWDIO: P5.2 U3.46 | length 666.2
  Top Layer w10: U3.46@1541.73,2026.38 1541.73,1978.27 v1(1560,1960)
  Int1 (GND) w10: v1(1560,1960) 1540,1980 1540,2140 1650,2250 1800,2250 1856.57,2306.57 P5.2@1856.57,2325
USART_RX: P1.3 U3.30 | length 807
  Top Layer w10: U3.30@1876.38,1908.27 1983.27,1908.27 2015,1940 2015,2060 2115,2160 2320,2160 2377,2217 2377,2324.57 P1.3@2376.57,2325
USART_TX: P1.4 U3.29 | length 899.5
  Top Layer w10: U3.29@1876.38,1888.58 1993.58,1888.58 2035,1930 2035,2055 2105,2125 2355,2125 2475,2245 P1.4@2475,2325
USBD_N: R5.1 U3.44 | length 1402.8
  Top Layer w10: R5.1@449,2010 454,2005 454,1993.36 459.86,1987.5 539.25,1987.5 593.75,2042 1228,2042 1249,2063 1249,2136.28 1316.72,2204 1485.57,2204 1553.14,2136.43 1553.14,2106.14 1581.42,2077.87 1581.42,2026.69 U3.44@1581.1,2026.38
USBD_P: R3.1 U3.45 | length 1369.5
  Top Layer w10: R3.1@449,1945 454,1950 454,1961.64 459.86,1967.5 547.53,1967.5 602.03,2022 1236.28,2022 1269,2054.72 1269,2128 1325,2184 1477.28,2184 1533.14,2128.14 1533.14,2097.86 1561.42,2069.58 U3.45@1561.42,2026.38
pads on no net: J1. J1.0 J1.A5 J1.A8 J1.B5 J1.B8 J2.7 J2.20 J3. J4. S1.3 S1.4 U1.2

## Polygon pours and split planes (outlines as drawn)
+5 on Int2 (PWR) "Int2 (PWR)-+5" (solid, pour order 160): 3800,1335 2796.93,1335 2796.93,1700 1190,1715 1190,1335 118.11,1335 118.11,2149.89 358.88,2397.07 3569.02,2401.72 3800,2141.89
no net on Int2 (PWR) "Int2 (PWR)-No Net" (solid, pour order 158): 3800,1832 3798,1830 2975,1830
no net on Int2 (PWR) "Int2 (PWR)-No Net 1" (solid, pour order 156): 3800,1832
+3V3 on Int2 (PWR) "Int2 (PWR)-+3V3" (solid, pour order 154): 2895,1498.14 1605,1505 1273,1505 1273,1581 635,1581 635,2100 2740,2100 2895,1945
no net on Int2 (PWR) "Int2 (PWR)-No Net 2" (solid, pour order 138): 3801,1817
PVDD on Int2 (PWR) "Int1 (PWR)-+PVDD" (solid, pour order 6): 98.43,770 3280,770 3350,700 3350,630 3400,580 3850,580 3850,990 3760,1080 98.43,1080
no net on Int2 (PWR) "Int1 (PWR)-No Net" (solid, pour order 4): 75,750
no net on Int2 (PWR) "Int1 (PWR)-No Net 1" (solid, pour order 2): 75,775
AGND on Bottom Layer "Bottom Layer-AGND" (solid, pour order 212): 2976,1267 2976,1307 2985,1316 3097,1316 3097,1267
no net on Bottom Layer "Bottom Layer-No Net" (solid, pour order 210): 2976,1267
AGND on Bottom Layer "Bottom Layer-GND 1" (solid, pour order 170): 1340,1316 1449,1316 1449,1266 1340,1266
M0_SL_A on Bottom Layer "Bottom Layer-M0_SL_A" (solid, pour order 84): 1400,750 1560,750 1560,550 1400,550
M1_SL_B on Bottom Layer "Bottom Layer-M1_SL_B" (solid, pour order 82): 2600,750 2760,750 2760,550 2600,550
M0_SL_B on Bottom Layer "Bottom Layer-M0_SL_B" (solid, pour order 80): 900,750 1060,750 1060,550 900,550
M1_SL_C on Bottom Layer "Bottom Layer-M1_SL_C" (solid, pour order 78): 2100,750 2260,750 2260,550 2100,550
M1_SL_A on Bottom Layer "Bottom Layer-M1_SL_A" (solid, pour order 76): 3100,750 3260,750 3260,550 3100,550
M0_SL_C on Bottom Layer "Bottom Layer-M0_SL_C" (solid, pour order 74): 400,750 560,750 560,550 400,550
PVDD on Bottom Layer "Bottom Layer-PVDD" (solid, pour order 34): 87.2,762.13 550.59,762.13 550.59,1051.18 87.2,1051.18
PVDD on Bottom Layer "Bottom Layer-PVDD 1" (solid, pour order 32): 600,770 1041.34,770 1041.34,1051.18 600,1051.18
PVDD on Bottom Layer "Bottom Layer-PVDD 2" (solid, pour order 30): 1100,770 1550,770 1550,1050.2 1100,1050.2
PVDD on Bottom Layer "Bottom Layer-PVDD 3" (solid, pour order 28): 1800,770 2250,770 2250,1052.17 1800,1052.17
PVDD on Bottom Layer "Bottom Layer-PVDD 4" (solid, pour order 26): 2300,770 2750,770 2750,1053.15 2300,1053.15
PVDD on Bottom Layer "Bottom Layer-PVDD 5" (solid, pour order 24): 2800,770 3250,770 3250,1053.15 2800,1053.15
GND on Bottom Layer "Bottom Layer-GND" (solid, pour order 8): 70,716.54 380,716.54 380,540 610,540 610,730 880,730 880,540 1110,540 1110,730 1380,730 1380,540 1810,540 1810,719.49 2080,719.49 2080,540 2310,540 2310,730 2580,730 2580,540 2810,540 2810,730 3080,730 3080,540 3320,540 3850,540 3850,225 70,225
AGND on Top Layer "Top Layer-AGND" (solid, pour order 216): 2244,1845 2118,1845 2118,1663 2303,1663 2303,1747 2198,1747 2198,1799 2244,1799
AGND on Top Layer "Top Layer-AGND 1" (solid, pour order 206): 522,1859 522,1798 480,1798 471,1789 471,1743 539,1743 549,1753 578,1753 578,1677 561,1660 457,1660 326,1529 326,1408 12,1408 12,1660 88,1736 330,1736 426,1832 426,1833 427,1833 454,1860 521,1860
GND on Top Layer "Top Layer-GND 2" (solid, pour order 202): 1835.63,1479.33 1835.63,1375.98 1949.8,1375.98 1950.79,1375 1950.79,1479.33
GND on Top Layer "Top Layer-GND 3" (solid, pour order 200): 1812.01,1945.87 1722.44,1945.87 1658.46,1881.89 1554.13,1881.89 1510.83,1838.58 1510.83,1748.03 1801.18,1748.03 1812.01,1758.86
GND on Top Layer "Top Layer-GND 4" (solid, pour order 198): 856.3,2351.38 856.3,2300.2 631.89,2300.2 631.89,2438.22 1064.96,2438.22 1064.96,2347.44 923.23,2347.44 923.23,2398.62 770.67,2398.62 770.67,2351.38
GND on Top Layer "Top Layer-GND 5" (solid, pour order 194): 1398.62,2149.61 1398.62,1993.11 1289.37,1993.11 1289.37,2114.17 1324.8,2149.61
GND on Top Layer "Top Layer-GND 6" (solid, pour order 192): 1364.17,1544.29 1364.17,1645.67 1266.73,1645.67 1266.73,1544.29
no net on Top Layer "Top Layer-No Net 6" (solid, pour order 190): 1355.32,1555.12
GND on Top Layer "Top Layer-GND 7" (solid, pour order 188): 1888.78,2050.2 1995.08,2050.2 1995.08,2147.64 1888.78,2147.64
GND on Top Layer "Top Layer-GND 8" (solid, pour order 186): 981.3,1392.72 1040.35,1392.72 1040.35,1426.18 1144.68,1426.18 1144.68,1639.76 981.3,1639.76
GND on Top Layer "Top Layer-GND 9" (solid, pour order 184): 561.26,1639.33 561.26,1500.55 1027.8,1500.55 1027.8,1639.33
GND on Top Layer "Top Layer-GND 10" (solid, pour order 182): 2290.35,1638.78 2290.35,1487.2 2756.89,1487.2 2756.89,1638.78
GND on Top Layer "Top Layer-GND 11" (solid, pour order 180): 3125.98,2187.01 3552.17,2187.01 3552.17,2149.61 3125.98,2149.61
GND on Top Layer "Top Layer-GND 12" (solid, pour order 178): 2740.16,2187.01 3053.15,2187.01 3053.15,2149.61 2740.16,2149.61
GND on Top Layer "Top Layer-GND 13" (solid, pour order 176): 3307.09,1726.38 3284.45,1703.74 3182.09,1703.74 3182.09,1829.72 3104.33,1829.72 3104.33,1696.85 3088.58,1681.1 2788.39,1681.1 2788.39,1638.78 2706.05,1638.78 2706.05,1391.73 2761.91,1391.73 2761.91,1430.02 2955.71,1430.02 2955.71,1222.44 3260,1222.44 3260,1443.9 3511.81,1443.9 3511.81,1726.38
+5 on Top Layer "Top Layer-+5 2" (solid, pour order 168): 858,2288 858,2256 777,2256 769,2248 769,2183 695,2183 685,2193 685,2288
+5 on Top Layer "Top Layer-+5 3" (solid, pour order 164): 1055,1370 1055,1415 1145,1415 1145,1370
+5 on Top Layer "Top Layer-+5 4" (solid, pour order 162): 2825,1370 2825,1420 2940,1420 2940,1370
+3V3 on Top Layer "Top Layer-+3V3 4" (solid, pour order 152): 3180,1950 2895,1950 2895,1895 3180,1895
+3V3 on Top Layer "Top Layer-+3V3 5" (solid, pour order 148): 2960,2140 2960,2040 3000,2040 3000,2140
+3V3 on Top Layer "Top Layer-+3V3 6" (solid, pour order 146): 3080,1700 3080,1830 2800,1830 2800,1700
no net on Top Layer "Top Layer-No Net 5" (solid, pour order 144): 3080,1720
+5 on Top Layer "Top Layer-+5 1" (solid, pour order 136): 3206,1830 3206,1718 3274,1718 3296,1740 3800,1740 3800,1830
+3V3 on Top Layer "Top Layer-+3V3" (solid, pour order 134): 1380,1657 1380,1540 1507,1540 1507,1657
+3V3 on Top Layer "Top Layer-+3V3 1" (solid, pour order 132): 1910,1651.57 1974,1651.57 1974,1697 1910,1697
+3V3 on Top Layer "Top Layer-+3V3 2" (solid, pour order 130): 1840,1943 1941,1943 1941,2028 1840,2028
+3V3 on Top Layer "Top Layer-+3V3 3" (solid, pour order 128): 1508,2003 1414,2003 1414,2095 1495,2095 1495,2050 1508,2050
no net on Top Layer "Top Layer-No Net 4" (solid, pour order 126): 1509,2002
PVDD on Top Layer "Top Layer-PVDD" (solid, pour order 124): 575,1460 370,1460 370,1390 575,1390
PVDD on Top Layer "Top Layer-PVDD 1" (solid, pour order 122): 2300,1460 2095,1460 2095,1392.72 2300,1392.72
no net on Top Layer "Top Layer-No Net" (solid, pour order 116): 2300,1460
+5 on Top Layer "Top Layer-+5" (solid, pour order 106): 3530,1400 3800,1400 3800,1740 3530,1740
NetC1_2 on Top Layer "Top Layer-NetC1_2" (solid, pour order 100): 3590,990 3550,990 3550,800 3590,800
no net on Top Layer "Top Layer-No Net 1" (solid, pour order 98): 3590,990
GND on Top Layer "Top Layer-GND" (solid, pour order 96): 3660,1050 3550,1050 3550,1170 3520,1200 3350,1200 3350,1030 3350,965 3493.07,965 3493.07,1005 3660,1005
NetD2_3 on Top Layer "Top Layer-NetD2_3" (solid, pour order 94): 3650,1180 3680,1210 3800,1210 3800,1380 3370,1380 3350,1360 3350,1220 3520,1220 3560,1180 3560,1060 3650,1060
no net on Top Layer "Top Layer-No Net 2" (solid, pour order 92): 3650,1090
GND on Top Layer "Top Layer-GND 1" (solid, pour order 90): 3850,1005 3850,1200 3690,1200 3660,1170 3660,1005
no net on Top Layer "Top Layer-No Net 3" (solid, pour order 88): 3600,1010
PVDD on Top Layer "Top Layer-PVDD 2" (solid, pour order 86): 3600,990 3600,580 3850,580 3850,990
M1_SL_A on Top Layer "Top Layer-M1_SL_A" (solid, pour order 48): 3100,750 3260,750 3260,550 3100,550
M1_SL_B on Top Layer "Top Layer-M1_SL_B" (solid, pour order 46): 2600,750 2760,750 2760,550 2600,550
M1_SL_C on Top Layer "Top Layer-M1_SL_C" (solid, pour order 44): 2100,750 2260,750 2260,550 2100,550
M0_SL_A on Top Layer "Top Layer-M0_SL_A" (solid, pour order 42): 1400,750 1560,750 1560,550 1400,550
M0_SL_B on Top Layer "Top Layer-M0_SL_B" (solid, pour order 40): 900,750 1060,750 1060,550 900,550
M0_SL_C on Top Layer "Top Layer-M0_SL_C" (solid, pour order 38): 400,750 560,750 560,550 400,550
M1_SH_C on Top Layer "Top Layer-M1_SH_C" (solid, pour order 22): 1800,465 2215,50 2350,50 2350,301.67 2080,536.67 2080,810 1920,810 1920,930 1800,930
M1_SH_B on Top Layer "Top Layer-M1_SH_B" (solid, pour order 20): 2300,930 2300,400 2380,340 2380,50 2518.11,50 2518.11,335.15 2580,395.15 2580,810 2420,810 2420,930
M1_SH_A on Top Layer "Top Layer-M1_SH_A" (solid, pour order 18): 2800,930 2800,510 2545,304.12 2545,50 2690,50 3080,440 3080,810 2920,810 2920,930
M0_SH_A on Top Layer "Top Layer-M0_SH_A" (solid, pour order 16): 1100,930 1100,505 845,304.24 845,50 1020,50 1380,410 1380,810 1220,810 1220,930
M0_SH_B on Top Layer "Top Layer-M0_SH_B" (solid, pour order 14): 600,930 600,401.25 680,341.25 680,50 820,50 820,335 880,395 880,810 720,810 720,930
M0_SH_C on Top Layer "Top Layer-M0_SH_C" (solid, pour order 12): 100,450 500,50 655,50 655,305 380,510 380,810 220,810 220,930 100,930
GND on Int1 (GND) "Int1 (GND)-GND" (solid, pour order 220): 3440,340 3310,470 3310,770 3890,770 3890,340
no net on Int1 (GND) "Int1 (GND)-No Net" (solid, pour order 218): 3850,360
AGND on Int1 (GND) "Int1 (GND)-AGND" (solid, pour order 208): 1456,1506 1456,1281 1721,1281 1721,1374.07 1934,1374 1934,1497 1721,1497 1721,1709 2215,1709 2215,1437 3180,1437 3217,1400 3217,1092 14,1092 14,1506
GND on Int1 (GND) "Int1 (GND)-GND 1" (solid, pour order 204): 1471,1687.99 1707,1687.99 1707,1488 1924,1488 1924,1385.49 1710,1384.5 1710,1295 1471,1295
GND on Int1 (GND) "Int1 (GND)-GND 2" (solid, pour order 174): 0.98,2452.76 2.95,2450.79 2807.62,2448.48 2873.43,2390 3416.57,2390 3482.38,2448.48 3899.61,2450.79 3899.61,790 3304.13,790 3304.13,1389.76 3195.87,1498.03 2250,1498.03 2250,1720 1750,1720 1750,1652 1359.25,1652 1359.25,1517 0.98,1517
no net on Int1 (GND) "Int1 (GND)-No Net 1" (solid, pour order 172): 0.98,2452.76

## Keep-outs
Keep-Out Layer:
  lines w10: 0,118.11 0,2331.89 cw(c118.11,2331.89) 118.11,2450 2796.93,2450 ; 0,118.26 ccw(c118.11,118.26) 118.11,0.15 ; 118.11,0 3781.89,0 ccw(c3781.89,118.11) 3900,118.11 3900,2331.89 ccw(c3781.89,2331.89) 3781.89,2450 3493.07,2450 ; 2796.93,2449.93 cw(c2796.93,2409.93) 2825.22,2438.22 2861.72,2401.72 ccw(c2890,2430) 2890,2390 3400,2390 ccw(c3400,2430) 3428.28,2401.72 3464.78,2438.22 cw(c3493.07,2409.93) 3493.07,2449.93

## Silkscreen, mask and mechanical layers (free items; w line width, h text height)
Top Overlay:
  text "-" at 1385,245 h60
  text "+" at 1775,245 h60
  text "-" at 3083.7,245 h60
  text "+" at 3473.7,245 h60
Bottom Overlay:
  circle w10: c1660,1105 r5
  region: 1761.3,55 1831.3,55 1796.3,90
  region: 3460,55 3530,55 3495,90
  region: 3976,144
  lines w10: 455,1105 1620,1105 ; 1055,1480 1055,1605 ; 1365,80 1435,80 ; 1380,65 1420,65 ; 1395,50 1405,50 ; 1400,85 1400,100 ; 1420,1630 1420,1785 ; 1700,1105 2865,1105 ; 3063.7,80 3133.7,80 ; 3078.7,65 3118.7,65 ; 3093.7,50 3103.7,50 ; 3098.7,85 3098.7,100 ; 3333,556 3333,386 3503,386 3503,556
  text "JLCJLCJLCJLC" at 676,2385 h40
  text "GND CAL CAH" at 1585,2135 h60
  text "GND DIO CLK" at 2010,2135 h60
  text "TXD RXD GND +5V" at 2530,2135 h60
  text "CAN" at 1535,2035 h120
  text "STLINK" at 2035,2035 h120
  text "USART" at 2470,2035 h120
  text "2021.12.07" at 985,1995 h60
  text "FOC MOTOR DRIVER" at 1435,1885 h90
  text "By LuHeQiu" at 1130,1811.09 h90
  text "v0.1" at 1430,1810.47 h90
  text "Algorithm Verification" at 1395,1745 h60
  text "RST" at 610,1715 h90
  text "Dual Channel" at 1395,1690 h60
  text "BLDC Controlled" at 1395,1635 h60
  text "TYPE-C" at 415,1615 h120
  text "12V-36V(40V)" at 1415,1560 h60
  text "OLED-DISPLAY" at 3670,1540 h100
  text "2×15A(25A)" at 1360,1490 h60
  text "nOCTW" at 3535,1465 h60
  text "nFault" at 3535,1395 h60
  text "M0" at 3255,1385 h120 r270
  text "nOCTW" at 3535,1315 h60
  text "nFault" at 3535,1230 h60
  text "M1" at 3255,1225 h120 r270
  text "FnLED" at 3535,975 h60
  text "Power" at 3535,895 h60
  text "+" at 3328,741 h240 r270
  text "-" at 3328,563.5 h240 r270
  text "Encoder0" at 1830,244.11 h120
  text "Encoder1" at 3528.7,244.11 h120
  text "M0" at 930,100 h300
  text "M1" at 2630,100 h300
Drill Drawing:
  circle w10: c4776.62,1606.28 r33.33
  lines w10: 4743.29,1122.94 4809.96,1122.94 4809.96,1189.61 4743.29,1189.61 4743.29,1122.94 ; 4743.29,1272.94 4743.29,1289.61 4759.96,1306.28 4743.29,1322.94 4743.29,1339.61 4759.96,1339.61 4776.62,1322.94 4793.29,1339.61 4809.96,1339.61 4809.96,1322.94 4793.29,1306.28 4809.96,1289.61 4809.96,1272.94 4793.29,1272.94 4776.62,1289.61 4759.96,1272.94 4743.29,1272.94 ; 4743.29,1456.28 4776.62,1422.94 4809.96,1456.28 4776.62,1489.61 4743.29,1456.28 ; 4743.29,1739.61 4759.96,1739.61 4759.96,1722.94 4793.29,1722.94 4793.29,1739.61 4809.96,1739.61 4809.96,1772.94 4793.29,1772.94 4793.29,1789.61 4759.96,1789.61 4759.96,1772.94 4743.29,1772.94 4743.29,1739.61 ; 4743.29,1889.61 4759.96,1889.61 4776.62,1872.94 4793.29,1889.61 4809.96,1889.61 4793.29,1906.28 4809.96,1922.94 4793.29,1922.94 4776.62,1939.61 4759.96,1922.94 4743.29,1922.94 4759.96,1906.28 4743.29,1889.61 ; 4743.29,2022.94 4776.62,2039.61 4809.96,2022.94 4793.29,2056.28 4809.96,2089.61 4776.62,2072.94 4743.29,2089.61 4759.96,2056.28 4743.29,2022.94 ; 4743.29,2239.61 4809.96,2239.61 4776.62,2172.94 4743.29,2239.61
  lines w15: 4683.5,1077.94 18695.52,1077.94 ; 4683.5,2277.94 18695.52,2277.94 ; 5234.38,927.94 5234.38,2427.94 ; 5834.22,927.94 5834.22,2427.94 ; 6983.88,927.94 6983.88,2427.94 ; 7489.76,927.94 7489.76,2427.94 ; 8223.56,927.94 8223.56,2427.94 ; 9723.11,927.94 9723.11,2427.94 ; 10312.96,927.94 10312.96,2427.94 ; 11402.64,927.94 11402.64,2427.94 ; 12632.28,927.94 12632.28,2427.94 ; 13486.04,927.94 13486.04,2427.94 ; 14819.65,927.94 14819.65,2427.94 ; 16153.26,927.94 16153.26,2427.94 ; 17292.92,927.94 17292.92,2427.94 ; 4683.5,927.94 18695.52,927.94 18695.52,2427.94 4683.5,2427.94 4683.5,927.94
  text "Symbol" at 4773.5,2322.94 h72
  text "Count" at 5279.38,2322.94 h72
  text "Hole Size" at 5879.22,2322.94 h72
  text "Plated" at 7028.88,2322.94 h72
  text "Hole Type" at 7534.76,2322.94 h72
  text "Drill Layer Pair" at 8268.56,2322.94 h72
  text "Via/Pad" at 9768.11,2322.94 h72
  text "Pad Shape" at 10357.96,2322.94 h72
  text "Template" at 11447.64,2322.94 h72
  text "Description" at 12677.28,2322.94 h72
  text "Hole Tolerance (+)" at 13531.04,2322.94 h72
  text "Hole Tolerance (-)" at 14864.65,2322.94 h72
  text "Hole Length" at 16198.26,2322.94 h72
  text "Routed Path Length" at 17337.92,2322.94 h72
  text "2" at 5279.38,2172.94 h60
  text "27.56mil (0.700mm)" at 5879.22,2172.94 h60
  text "PTH" at 7028.88,2172.94 h60
  text "Slot" at 7534.76,2172.94 h60
  text "Top Layer - Bottom Layer" at 8268.56,2172.94 h60
  text "Pad" at 9768.11,2172.94 h60
  text "Rounded" at 10357.96,2172.94 h60
  text "(Mixed)" at 11447.64,2172.94 h60
  text "70.87mil (1.800mm)" at 16198.26,2172.94 h60
  text "43.31mil (1.100mm)" at 17337.92,2172.94 h60
  text "2" at 5279.38,2022.94 h60
  text "29.53mil (0.750mm)" at 5879.22,2022.94 h60
  text "NPTH" at 7028.88,2022.94 h60
  text "Round" at 7534.76,2022.94 h60
  text "Top Layer - Bottom Layer" at 8268.56,2022.94 h60
  text "Pad" at 9768.11,2022.94 h60
  text "Rounded" at 10357.96,2022.94 h60
  text "c75hn75" at 11447.64,2022.94 h60
  text "-" at 16198.26,2022.94 h60
  text "-" at 17337.92,2022.94 h60
  text "2" at 5279.38,1872.94 h60
  text "31.50mil (0.800mm)" at 5879.22,1872.94 h60
  text "PTH" at 7028.88,1872.94 h60
  text "Slot" at 7534.76,1872.94 h60
  text "Top Layer - Bottom Layer" at 8268.56,1872.94 h60
  text "Pad" at 9768.11,1872.94 h60
  text "Rounded" at 10357.96,1872.94 h60
  text "(Mixed)" at 11447.64,1872.94 h60
  text "62.99mil (1.600mm)" at 16198.26,1872.94 h60
  text "31.50mil (0.800mm)" at 17337.92,1872.94 h60
  text "2" at 5279.38,1722.94 h60
  text "102.36mil (2.600mm)" at 5879.22,1722.94 h60
  text "PTH" at 7028.88,1722.94 h60
  text "Slot" at 7534.76,1722.94 h60
  text "Top Layer - Bottom Layer" at 8268.56,1722.94 h60
  text "Pad" at 9768.11,1722.94 h60
  text "Rounded Rectangle" at 10357.96,1722.94 h60
  text "r700_400h260_450r50" at 11447.64,1722.94 h60
  text "177.17mil (4.500mm)" at 16198.26,1722.94 h60
  text "74.80mil (1.900mm)" at 17337.92,1722.94 h60
  text "4" at 5279.38,1572.94 h60
  text "43.31mil (1.100mm)" at 5879.22,1572.94 h60
  text "PTH" at 7028.88,1572.94 h60
  text "Round" at 7534.76,1572.94 h60
  text "Top Layer - Bottom Layer" at 8268.56,1572.94 h60
  text "Pad" at 9768.11,1572.94 h60
  text "Rounded" at 10357.96,1572.94 h60
  text "c140h110" at 11447.64,1572.94 h60
  text "-" at 16198.26,1572.94 h60
  text "-" at 17337.92,1572.94 h60
  text "4" at 5279.38,1422.94 h60
  text "120.08mil (3.050mm)" at 5879.22,1422.94 h60
  text "PTH" at 7028.88,1422.94 h60
  text "Round" at 7534.76,1422.94 h60
  text "Top Layer - Bottom Layer" at 8268.56,1422.94 h60
  text "Pad" at 9768.11,1422.94 h60
  text "Rounded" at 10357.96,1422.94 h60
  text "c305h305m305" at 11447.64,1422.94 h60
  text "-" at 16198.26,1422.94 h60
  text "-" at 17337.92,1422.94 h60
  text "20" at 5279.38,1272.94 h60
  text "39.37mil (1.000mm)" at 5879.22,1272.94 h60
  text "PTH" at 7028.88,1272.94 h60
  text "Round" at 7534.76,1272.94 h60
  text "Top Layer - Bottom Layer" at 8268.56,1272.94 h60
  text "Pad" at 9768.11,1272.94 h60
  text "(Mixed)" at 10357.96,1272.94 h60
  text "(Mixed)" at 11447.64,1272.94 h60
  text "-" at 16198.26,1272.94 h60
  text "-" at 17337.92,1272.94 h60
  text "454" at 5279.38,1122.94 h60
  text "15.00mil (0.381mm)" at 5879.22,1122.94 h60
  text "PTH" at 7028.88,1122.94 h60
  text "Round" at 7534.76,1122.94 h60
  text "Top Layer - Bottom Layer" at 8268.56,1122.94 h60
  text "Via" at 9768.11,1122.94 h60
  text "Rounded" at 10357.96,1122.94 h60
  text "(Mixed)" at 11447.64,1122.94 h60
  text "-" at 16198.26,1122.94 h60
  text "-" at 17337.92,1122.94 h60
  text "490 Total" at 5279.38,972.94 h60
  text "Slot definitions :" at 4773.5,827.97 h60
  text "Routed Path Length" at 5806.19,827.97 h60
  text "= Calculated from tool start centre position to tool end centre position." at 6908.86,827.97 h60
  text "Hole Length" at 5806.19,727.99 h60
  text "= Routed Path Length + Tool Size = Slot length as defined in the PCB layout" at 6498.99,727.99 h60

## Dimensions
0.98,-401.57 to 3899.61,-405.51 on Documents
-185.04,2452.76 to -193.9,0.98 on Documents
4023.62,2102.36 to 4023.62,2385.83 on Documents
3145,2805 to 2890,2815 on Documents
3145,2805 to 3400,2790 on Documents
2735,2825 to 3145,2805 on Documents
2735,2600 to 3555,2595 on Documents